# Altium PCB PCB2.PcbDoc (continued)
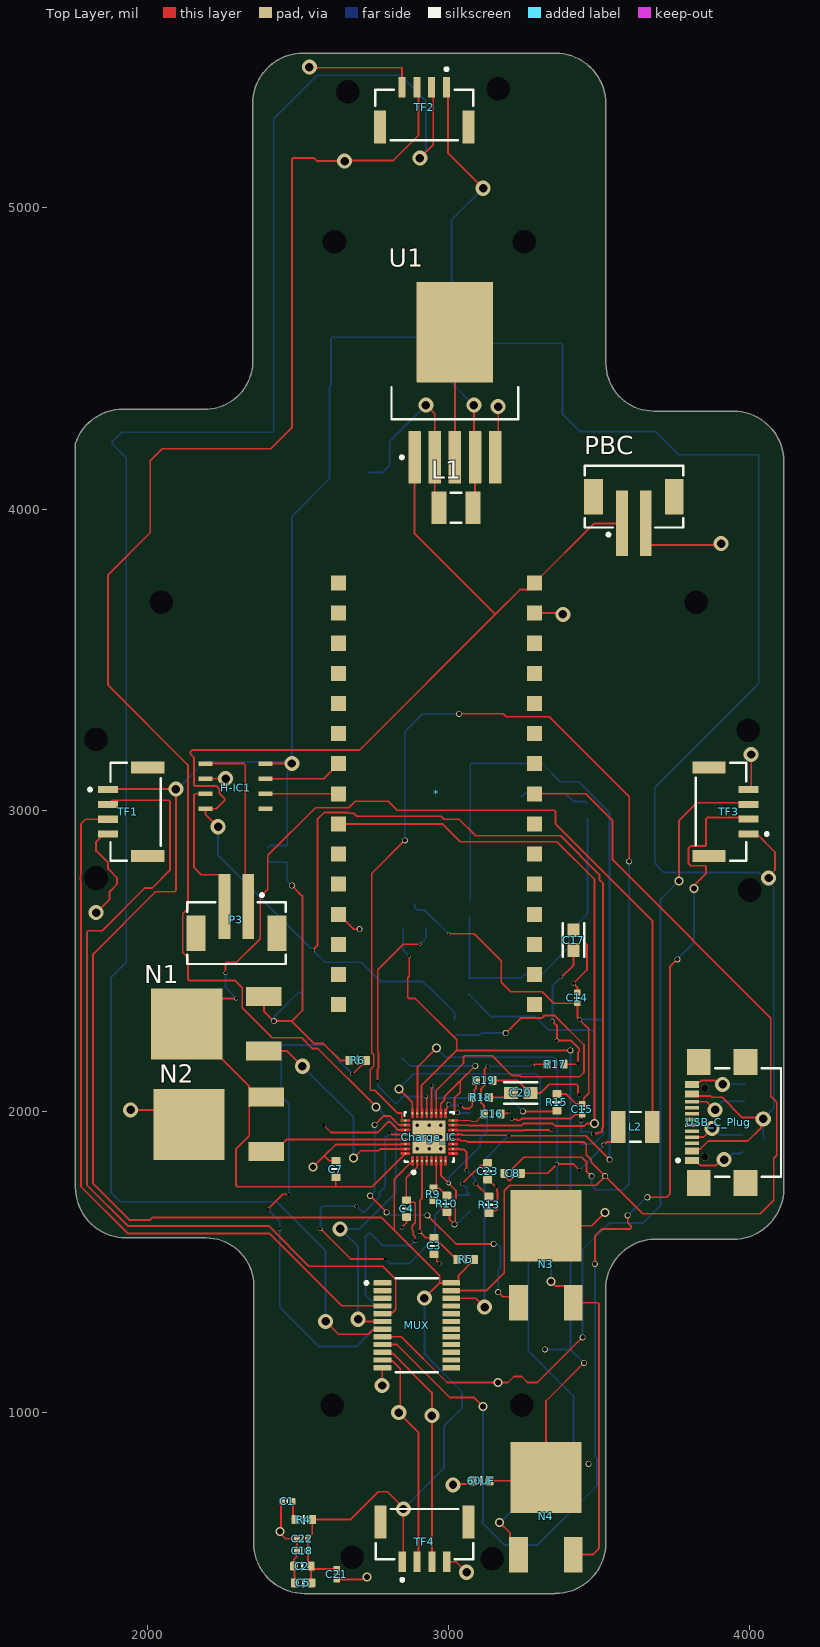
[diagram p0: Top Layer view]
## Part data
5.1kr 5.1KRPD: library part CMP-009-01454-3, "0603 (1608 Metric) 1/10 W 5K1 1 Precision Thick Film Chip Resistor", Case-EIA=0603, Power=100mW, Tolerance=0.1%
60uF C2 CIN COUT: library part CMP-001-00083-4, "Imperial 0603 Capacitor", Case/Package=0603
*: "Arduino Nano IC for I2C Comms/Control"
C1 C14 C15 C18 C21 C22: library part CMP-001-00736-2, "Chip Capacitor, 1u 25V 0402 X7R", Capacitor Type=X7R, Case/Package=0402, Voltage Rating=25V
C3 C4: library part CMP-001-00783-2, "Chip Capacitor, 33n 10V 0603 X7R", Capacitor Type=X7R, Case/Package=0603, Voltage Rating=10V
C5: library part CMP-001-00951-2, "Chip Capacitor, 470n 50V 0603 X7R", Capacitor Type=X7R, Case/Package=0603, Voltage Rating=50V
C6: library part CMP-001-00968-2, "Chip Capacitor, 10u 25V 0805 X7R", Capacitor Type=X7R, Case/Package=0805, Voltage Rating=25V
C7 C8: library part CMP-001-00939-2, "Chip Capacitor, 47n 50V 0603 X7R", Capacitor Type=X7R, Case/Package=0603, Voltage Rating=50V
C16 C19: library part CMP-001-00901-2, "Chip Capacitor, 33p 50V 0603 X7R", Capacitor Type=X7R, Case/Package=0603, Voltage Rating=50V
C17 C20: library part CMP-2006-02619-2, "Chip Multilayer Ceramic Capacitors for General Purpose, 0603, 1800pF, C0G, 30ppm/°C, 5%, 50V", Capacitance=1.8nF, Case Code (Imperial)=0603, Case Code (Metric)=1608, Dielectric=C0G, Max Operating Temperature=125°C, Min Operating Temperature=-55°C, Package Quantity=1, Temperature Coefficient=30ppm/°C, Tolerance=5%, Voltage=50V, Case/Package=0603, Depth=0.8mm, Height=0.8mm, Lead Free="Lead Free", Length=1.6mm, Mount="Surface Mount", Packaging="Tape and Reel", Radiation Hardening=No, REACH SVHC="No SVHC", Termination=SMD/SMT, Thickness=0.035inch, Voltage Rating=50V, Voltage Rating (DC)=50V, Width=0.031inch
C23: library part CMP-001-00961-2, "Chip Capacitor, 3u3 50V 0603 X7R", Capacitor Type=X7R, Case/Package=0603, Voltage Rating=50V
Charge_IC: library part CMP-04911-000011-1, "IC BATT MON MULTI-CHEM 32WQFN", Ambient Temperature Range High=+85°C, Ambient Temperature Range Low=-40°C, Manufacturer="Texas Instruments", Max Junction Temp=+125°C, Max Supply Voltage=24V, Min Supply Voltage=3.5V, Output Current=6.35A, Output Voltage=19.2V, Package=RSN0032B, Temperature="-40°C to +125°C", Automotive=No, Category=IC, ComponentLink2Description=Datasheet, ComponentLink2URL=http://www.ti.com/lit/ds/symlink/bq25703a.pdf, Device Class L1="Integrated Circuits (ICs)", Device Class L2="Power Management ICs", Device Class L3="Battery Management", Digikey Description="IC BATT MON MULTI-CHEM 32WQFN", Height=0.8mm, Lead Free=Yes, Manufacturer Part Number=BQ25703ARSNT, Mouser Description="NVDC I2C Battery Buck-Boost Charge Controller with System Power Monitor & Processor 32-QFN -40 to 85", Number Of Cells=4, Octopart=https://octopart.com/bq25703arsnt-texas+instruments-81848930, RoHS=TRUE, Standoff Height=0mm, Temperature Range High=+125°C, Temperature Range Low=-40°C
CIN2: library part CMP-001-00971-2, "Chip Capacitor, 10u 50V 0805 X7R", Capacitor Type=X7R, Case/Package=0805, Voltage Rating=50V
D1: library part CMP-004-00034-2, "Schottky Diode with SOD-323 Footprint"
H-IC1: "H-Bridge IC"
L1 L2: library part CMP-006-00021-1, "1210 Inductor", Case/Package=1210
MUX: library part CMP-04892-000002-1, "IC I2C SW 8CH W/RESET 24TSSOP", Ambient Temperature Range High=+85°C, Ambient Temperature Range Low=-40°C, Manufacturer="Texas Instruments", Max Supply Voltage=5.5V, Min Supply Voltage=1.65V, Nominal Supply Current=2-50uA, Package=PW0024A, Temperature="-40°C to +85°C", Automotive=No, Category=IC, ComponentLink2Description=Datasheet, ComponentLink2URL=http://www.ti.com/lit/ds/symlink/tca9548a.pdf, Device Class L1="Integrated Circuits (ICs)", Device Class L2="Interface ICs", Device Class L3=Multiplexers, Digikey Description="IC I2C SW 8CH W/RESET 24TSSOP", Height=1.2mm, Interface=I2C,SMBus, Ipc Land Pattern Name=SOP65P640X120-24, Lead Free=Yes, Manufacturer Part Number=TCA9548APWR, Mouser Description="Low-Voltage 8-Channel I2C Switch With Reset 24-TSSOP -40 to 85", Mux Demux Ratio=1:8, Number Of Circuits=1, Octopart=https://octopart.com/tca9548apwr-texas+instruments-22266789, RoHS=TRUE, Standoff Height=0.05mm, Temperature Range High=+85°C, Temperature Range Low=-40°C
N1 N2 N3 N4: library part CMP-013-00035-2, "N Channel MOSFET, DPAK(2-7K1S) Footprint", Transistor Type="N Channel MOSFET"
P3 PBC: library part CMP-1502-00660-2, Color="Beige, White", Contact Resistance=20mΩ, Current Rating=2A, Flammability Rating="UL94 V-0", Insulation Resistance=1GΩ, Max Operating Temperature=85°C, Min Operating Temperature=-40°C, Operating Supply Voltage=100V, Voltage Rating=125V, Connector Type="Male Pin", Contact Gender=Male, Contact Material=Copper, Contact Mating Length=3.5052mm, Contact Plating=Tin, Gender=Male, Height=6.6mm, Housing Material=Nylon, Insulation=Insulated, Lead Pitch=2mm, Length=5mm, Mount="Surface Mount", NexarPartId=18818242, Number of Contacts=2, Number of Pins=2, Number of Positions=2, Number of Rows=1, Orientation=Vertical, Packaging="Tape and Reel", Pitch=2mm, REACH SVHC=Unknown, RoHS=Compliant, Termination=SMD/SMT, Width=7.9mm
Q5: library part CMP-047-000001-2, "P-MOSFET Enhancement Mode", Manufacturer="Diodes Incorporated", Package=SOT-23, ComponentLink1Description=Datasheet, ComponentLink1URL=https://www.mouser.com/datasheet/2/115/DIOD_S_A0012915142_1-2543925.pdf, Design Item ID=DMP3056L-7, DeviceName=SOT-23, DeviceSetName=TRANSISTOR_P_MOS_?_*, DKPN=DMP3056L-7DITR-ND, GateName_1=G$1, LibraryName=HyTechDevices, MOPN=621-DMP3056L-7, MPN=DMP3056L-7, Source=LOGICFETS.SchLib, SymbolName_1=MOSFET_P-CHANNEL
R4 R17 R18: library part CMP-0103-0519-5, "0603 (1608 Metric) 1/10 W 2R2 5 Thick Film Chip Resistor", Case-EIA=0603, Case-Metric=1608, Power=100mW, Temp. Coefficent=±500, Tolerance=5%, Technology=SMT
R5 R6: library part CMP-0103-0528-5, "0603 (1608 Metric) 1/10 W 5R1 5 Thick Film Chip Resistor", Case-EIA=0603, Case-Metric=1608, Power=100mW, Temp. Coefficent=±500, Tolerance=5%, Technology=SMT
R7: library part CMP-009-01111-3, "0603 (1608 Metric) 1/10 W 1K 1 Precision Thick Film Chip Resistor", Case-EIA=0603, Power=100mW, Tolerance=0.1%
R8 R14 R15: library part CMP-009-01062-3, "0603 (1608 Metric) 1/10 W 10R 1 Precision Thick Film Chip Resistor", Case-EIA=0603, Power=100mW, Tolerance=0.1%
R9 RAC RSR: library part CMP-009-00005-5, "Chip Resistor, 0 Ohm, 0.1 W, -55 to 155 degC, 0402 (1005 Metric)", Case/Package=0402, Max Operating Temperature=155°C, Min Operating Temperature=-55°C, Power=100mW, Tolerance=5%, Voltage Rating=50V, Mounting Technology=SM, Pins=2, RoHS Compliant=True
R10: library part CMP-0103-0511-5, "0603 (1608 Metric) 1/10 W 1R 5 Thick Film Chip Resistor", Case-EIA=0603, Case-Metric=1608, Power=100mW, Temp. Coefficent=±500, Tolerance=5%, Technology=SMT
R11: library part CMP-009-01410-5, "0603 (1608 Metric) 1/10 W 300K 1 Precision Thick Film Chip Resistor", Case-EIA=0603, Power=100mW, Tolerance=0.1%
R12: library part CMP-009-01140-3, "0603 (1608 Metric) 1/10 W 200K 1 Precision Thick Film Chip Resistor", Case-EIA=0603, Power=100mW, Tolerance=0.1%
R13: library part CMP-009-01412-5, "0603 (1608 Metric) 1/10 W 30K 1 Precision Thick Film Chip Resistor", Case-EIA=0603, Power=100mW, Tolerance=0.1%
RGPIOPU2 RI2CPU RI2CPU2: library part CMP-009-01057-2, "0603 (1608 Metric) 1/10 W 10K 1 Precision Thick Film Chip Resistor", Case-EIA=0603, Power=100mW, Tolerance=0.1%
TF1 TF2 TF3 TF4: library part CMP-17439-000054-1, "CONN HEADER SMD 4POS 1.25MM", Color=Natural, Connector Type="Outer Shroud Contact", Contact Plating=Tin, Fastening Type=Ramp, Lead Free="Lead Free", Mount="Surface Mount", Number of Pins=4, Number of Positions=4, Number of Rows=1, Packaging="Tape and Reel", Pitch=0.049inch, Termination=Solder
U1: library part CMP-0069-00269-3, "SIMPLE SWITCHER® Power Converter 150 KHz 3A Step-Down Voltage Regulator, 5-pin TO-263, Pb-Free", Manufacturer="Texas Instruments", PackageTopMarking="NSUZXYTTE#*LM2596S*-5.0 P+", PowerWise=N, Code_JEDEC=MO-169-AB, ComponentLink1Description="Datasheet URL", ComponentLink1URL=http://www.ti.com/general/docs/lit/getliterature.tsp?genericPartNumber=LM2596&fileType=pdf, CompType=Switcher, PackageDescription="TO-263, Molded, .400 x .390 x .180in, 5 Lead, .067in Pitch, Surface Mount", PackageReference=KTT0005B, PinCount=5, RoHS=Y
USB_C_Plug: library part CMP-245163-000002-1, "CONN USB 2.0 TYPE-C R/A SMT", Current Rating=3/4.25/1.25/0.25A, Manufacturer=GCT, Package=0, Temperature="-40°C to +85°C", Temperature Range High=+85°C, Temperature Range Low=-40°C, Voltage Rating=20V, Automotive=No, Category=Conn, ComponentLink2Description=Datasheet, ComponentLink2URL=https://gct.co/files/drawings/usb4110.pdf, Conn Orientation="Right Angle", Contact Material=Gold,Nickel, Device Class L1=Connectors, Device Class L2="USB Connectors", Device Class L3=unset, Digikey Description="CONN USB 2.0 TYPE-C R/A SMT", Height=3.46mm, Is Female=yes, Lead Free=Yes, Manufacturer Part Number=USB4110-GF-A, Number of Contacts=16, Octopart=https://octopart.com/usb4110-gf-a-gct-103941985, RoHS=TRUE, Shielding=true, Standoff Height=0.1mm, Usb Standard="USB 2.0"

## Free pads (board coordinates)
  round 0 hole 78.47: 2(1830,2775) 2(1830,3235) 2(2046.89,3690.28) 2(2621.69,4887.13) 2(2665,5385) 2(2680,520) 2(3145,515) 2(3165,5395) 2(3243.74,1024.92) 2(3251.55,4887.13) 2(3822.48,3690.28) 2(3995,3265) 2(4000,2735) 5(2613.82,1024.92)

## Via types
v1: diameter 12.6, hole 11.81, Top Layer to Bottom Layer, 40 vias
v2: diameter 50, hole 28, Top Layer to Bottom Layer, 34 vias
v3: diameter 20, hole 15, Top Layer to Bottom Layer, 26 vias
v4: diameter 30, hole 20, Top Layer to Bottom Layer, 15 vias
v5: diameter 23.62, hole 11.81, Top Layer to Bottom Layer, 9 vias
v6: diameter 10, hole 8, Top Layer to Bottom Layer, 5 vias
v7: diameter 12.2, hole 11.81, Top Layer to Bottom Layer, 1 vias
v8: diameter 19.68, hole 13.78, Top Layer to Bottom Layer, 1 vias
v9: diameter 15, hole 11.81, Top Layer to Bottom Layer, 1 vias
v10: diameter 15, hole 10, Top Layer to Bottom Layer, 1 vias
v11: diameter 20, hole 15.75, Top Layer to Bottom Layer, 1 vias

## Nets (pads, with @x,y where several pads share a name; then routed paths per layer and width w, separated by ;. In a path a pad name is that pad's centre, name@x,y a point inside that pad or via, vN(x,y) a via of type N, cw(c..) or ccw(c..) an arc to the next point about the centre after c; other vN are vias at no path point)
+D_PWM_FWD: *.23@2635.55,3054.41 H-IC1.2 | length 242.6
  Top Layer w6: H-IC1.2 2635.27,3054.69 *.23@2635.55,3054.41
+D_PWM_REV: *.24@2635.55,3154.41 H-IC1.3 | length 263.1
  Top Layer w6: H-IC1.3 2585.83,3104.69 *.24@2635.55,3154.41
ACN: C4.2 Charge_IC.2 R6.1 | length 2478.5
  Top Layer w6: v1(2400,1675) 2450,1725 v1(2470,1725) ; v1(2680,2125) 2680.77,2125.77 2684.39,2125.77 2725.88,2167.25 R6.1 ; v1(2890,1570) 2890,1583 2883,1590 2883,1602.46 2880,1605.46 2880,1620 2890,1630 2890,1694.79 2886.49,1698.3 2867.84,1698.3 C4.2 2860,1706.14 2860,1779.17 2896.37,1815.54 2896.37,1820.51
  Bottom Layer w6: v1(2400,1675) 2440,1635 v1(2440,1610) 2440,1350 2570,1220 2695,1220 2755,1280 2755,1360 2725,1390 2725,1585 2735.01,1595.01 2739.99,1595.01 2780,1555 2875,1555 v1(2890,1570) ; v1(2470,1725) 2470,2025 2445,2050 2445,2216.49 2448.51,2220 2590,2220 2634.62,2175.38 2634.62,2170.38 v1(2680,2125)
ACP: C3.2 Charge_IC.3 R5.1 | length 389.1
  Top Layer w6: 2911.93,1823 2911.93,1710 2905,1703.07 v1(2905,1600) 2924.22,1580.78 C3.2 2954.39,1580.78 3014.78,1520.38 3019.27,1520.38 3029.25,1510.4 R5.1
ARD_V: *.2 RGPIOPU2.1 RI2CPU2.1 RI2CPU.1 | length 1030.8
  Bottom Layer w6: RI2CPU.1 3069.96,2642.7 3069.96,2445.68 RGPIOPU2.1 3240.75,2443.17 3252.59,2455 3260.55,2455 3310.55,2455 3400,2544.45 3400,2594.45 3461.53,2655.98 RI2CPU2.1@3461.53,2971.19
BAT+: *.15@3285.55,3754.41 C15.2 CIN2.2 CIN.2 H-IC1.8 PBC.1 R14.1 RSR.2 U1.1 | length 6615.7
  Top Layer w6: v2(2235,2945) 2193.04,2986.96 H-IC1.8 2229.69,3004.69 2257.51,3032.51 2257.51,3037.49 2240,3055 2240,3070 2230,3080 2158.51,3080 2155,3083.51 2155,3175 2142.49,3187.51 2142.49,3192.49 2150,3200 2705,3200 3155,3650 ; v1(2550,2535) 2565,2550 2565,2970 2587.41,2992.41 2665.94,2992.41 2668.35,2990 2685,2990 2695,2980 2976.11,2980 2986.11,2970 3035,2970 3090,2915 3372.37,2915 3501,2786.37 3501,2769 3513,2757 3513,1948.4 3510,1945.4 3510,1935 3505,1930 3498.3,1930 3494.56,1926.26 3481.26,1926.26 v1(3480,1925) ; U1.1 2887.4,3917.6 3155,3650 ; v1(3210,1975) 3211.26,1973.74 3225.05,1973.74 3228.42,1970.37 3237.21,1970.37 3242.84,1976 3406,1976 3419.15,1989.15 C15.2 3440.77,1986.38 3440.77,1970.77 v1(3440,1970) ; PBC.1 3483.54,3952.4 3285.55,3754.41 3263.55,3732.41 3237.41,3732.41 3155,3650
  Bottom Layer w6: v2(2235,2945) 2235,2850 v1(2550,2535) 2590,2495 2710,2495 2773.45,2431.55 CIN2.2 2912.97,2431.55 2929.26,2415.26 CIN.2 2933.31,2415.26 3020,2328.58 R14.1 ; v1(3440,1970) 3440,1931.76 RSR.2 3440.54,1932.29 3470.92,1932.29 3478.21,1925 v1(3480,1925)
BAT-: 5.1kr.2 5.1KRPD.2 60uF.1 *.14 *.19 C1.1 C2.1 C3.1 C4.1 C5.1 C6.1 C14.1 C16.1 C17.1 C18.1 C19.1 C20.1 C21.1 C22.1 C23.1 Charge_IC.14 Charge_IC.27 CIN2.1 CIN.1 COUT.1 D1.2 H-IC1.6 MUX.12 N2.2 N3.2 pad.2@1830,2775 pad.2@1830,3235 pad.2@2665,5385 pad.2@2680,520 pad.2@3145,515 pad.2@3165,5395 pad.2@3995,3265 pad.2@4000,2735 PBC.2 R12.1 R13.1 TF1.4 TF2.4 TF3.4 TF4.4 U1.5 USB_C_Plug.A1-B12 USB_C_Plug.B1-A12 | length 4490.5
  Top Layer w6: v2(1830,2660) 1875,2705 1875,2730 1900,2755 1900,2775 1870,2805 1870,2825 1830,2865 1830,2895 TF1.4@1850,2915 ; v2(1945,2005) 2090.28,2005 N2.2 ; H-IC1.6 2259.69,3104.69 v2(2260,3105) ; C1.1 2443.64,701.36 2443.64,608.64 v4(2440,605) 2440,600.24 2458.99,581.25 C22.1 2497.29,581.08 2497.29,540.92 C18.1 2495.34,538.98 2495.34,520.93 2486.18,511.77 C2.1@2486.18,490 ; C2.1 2488.72,488.72 2488.72,438.24 2490,436.96 C5.1 C5.1@2490,433.66 ; v2(2538.13,5466.87) 2540,5465 2844.65,5465 2845.79,5463.86 TF2.4 ; v1(2585,1955) 2610,1930 2765,1930 2800,1965 2805,1965 2831.38,1938.62 2841.06,1938.62 ; C21.1@2627.95,445.75 C21.1 2714.25,445.75 2723.51,455 v4(2730,455) ; *.19@2635.55,2654.41 2684.96,2605 v8(2705,2605) ; v2(2780,1090) 2780,1148.43 MUX.12 ; v1(2845,1615) 2861.09,1631.09 C4.1 ; C3.1 2961.34,1516.75 2961.34,1503.66 v1(2970,1495) ; TF4.4 3025,505 v2(3060,470) ; 3010.04,1937.13 3249.22,1937.13 3250.52,1938.43 v1(3341.16,1938.43) ; v2(3015,760) 3017.56,762.56 3071.72,762.56 3081.7,772.54 60uF.1 ; C23.1 3132.32,1773.7 3156.03,1750 v1(3160,1750) 3160.77,1749.23 3160.77,1736.24 3162.96,1734.04 3162.96,1676.48 3156.49,1670 3142.56,1670 R13.1 ; C19.1 3228.03,2103.1 3269.72,2061.42 C20.1 3306.42,2061.42 3335,2090 3425,2090 3430,2085 3430,2060 v1(3435,2055) ; U1.5 3165,4181.57 v2(3165,4340) ; C16.1 3192.05,1992.05 v1(3200,2000) ; *.14@3285.55,3654.41 3375.59,3654.41 v2(3380,3650) ; N3.2 3475.32,1620.32 v4(3520,1665) ; C17.1 3415.49,2598.51 3460,2554 3460,2470 v1(3415,2425) 3428.01,2411.99 C14.1 ; PBC.2 3655.08,3896.69 3671.76,3880 v2@3905,3880 ; USB_C_Plug.A1-B12 3819.51,1837.37 3836.89,1820 3886.92,1820 3906.92,1840 v2(3915,1840) ; USB_C_Plug.B1-A12 3817.5,2098.15 3835.54,2098.15 3840.32,2102.93 3885.16,2102.93 3898.09,2090 v2(3910,2090) ; v2(4005,3185) 4005,3077.63 4017.63,3065 TF3.4@4020,3065
  Bottom Layer w6: v2(3910,2090) 3982.07,2090 5.1kr.2 ; v2(3915,1840) 3923.16,1840 3943.12,1859.96 3970.44,1859.96 5.1KRPD.2
  other v2: 3905,3885
  other v3: 3465,830
BATDRV: Charge_IC.21 Q5.1 | length 859.2
  Top Layer w6: v1(2765,2100) 2764.12,2100.88 2764.12,2140.39 2767.88,2144.14 2767.88,2194.28 2765,2197.16 2765,2470 2850,2555 v6(2905,2555) ; 2927.68,2005.28 v1@2927.68,2050
  Bottom Layer w6: v1(2765,2100) 2765,2085 2822.51,2027.49 2827.49,2027.49 2850,2050 v1(2925,2050) ; v6(2905,2555) 2925.43,2575.43 Q5.1
BTST1: C7.1 Charge_IC.30 | length 376.7
  Top Layer w6: v4(2550,1815) 2587.5,1852.5 ; C7.1 2603.69,1836.31 2587.5,1852.5 ; 2850.48,1890 2625,1890 2587.5,1852.5
BTST2: C8.1 Charge_IC.25 | length 4136.3
  Top Layer w6: 2845,1974.76 2845,1995.24 2829.88,1995.24 2755.12,2070 2742.34,2070 2740,2072.34 2740,2138.89 2751.88,2150.77 2751.88,2187.65 2745,2194.53 2745,2790 v3(2855,2900) ; v3(3035,3320) 3181.89,3320 3191.89,3310 3335,3310 3600,3045 v3(3600,2830) ; C8.1 3195.27,1784.85 3195.27,1775.73 3200,1771 3204.97,1771 3214.52,1780.54 3214.52,1813.11 3249.41,1848 3442.46,1848 3458,1832.46 3458,1802 v3(3475,1785)
  Bottom Layer w6: v3(2855,2900) 2855,3260 2915,3320 v3(3035,3320) ; v3(3475,1785) 3475,1755 3490,1740 3580,1740 3600,1760 v3(3600,2830)
CBATR: Charge_IC.18 R11.1 R12.2 | length 606.9
  Top Layer w4: 2986.13,2037 2986.93,2038.17
  Top Layer w6: 2974.6,2009.49 2974.6,2025.48 2986.13,2037 ; 2986.93,2038.17 2987.12,2039.61 2987.15,2047.39 2987.15,2049.86 2988.92,2051.62 3038.93,2101.26 ; v9(3030,1995) 3019.65,2005.35 3019.65,2044.65 3038.93,2063.93 3038.93,2101.26 ; v3(3088.95,2150.9) 3038.93,2101.26
  Bottom Layer w6: R12.2 2845.22,2178.49 2872.81,2150.9 v3(3088.95,2150.9) ; v9(3030,1995) R11.1
CC1: 5.1KRPD.1 USB_C_Plug.A5 | length 189.6
  Top Layer w6: USB_C_Plug.A5 3809.47,1914.92 3846.74,1914.92 v2(3875.24,1943.43)
  Bottom Layer w6: v2(3875.24,1943.43) 3878.32,1943.43 3899.91,1921.83 5.1KRPD.1
CC2: 5.1kr.1 USB_C_Plug.B5 | length 200.8
  Top Layer w6: USB_C_Plug.B5 3857.75,2032.25 v2(3885,2005)
  Bottom Layer w6: v2(3885,2005) 3885,2010.39 3908.47,2033.86 5.1kr.1
CMPOUT: *.22@2635.55,2954.41 Charge_IC.15 RGPIOPU2.2 | length 2987.1
  Top Layer w6: *.22@2635.55,2954.41 2979.07,2954.41 3038.48,2895 3360,2895 3485,2770 v4(3485,1960) 3459.52,1960 3451.52,1952 3354.88,1952 3346.88,1960 3249.46,1960 3242.59,1953.13 3066.97,1953.13 3065.73,1954.37 Charge_IC.15
  Bottom Layer w6: RGPIOPU2.2 3069.41,2388.05 3142.46,2315 3287.5,2315 3332.5,2270 3475,2270 3485,2260 v4(3485,1960)
COMP1: C16.2 Charge_IC.16 R17.1 | length 475.7
  Top Layer w4: 3025.83,1970.12 3071.2,1970.12 3073.19,1968.13 3094.5,1968.13 3106.24,1979.86 3107.52,1979.86 3118.42,1990.76 C16.2
  Top Layer w6: C16.2 3118.42,2018.24 3108.3,2028.37 3108.3,2075.08 3119.15,2085.93 3119.15,2139.15 v1(3130,2150) ; v6(3280,2150) 3281.08,2150 3287.86,2156.78 R17.1
  Bottom Layer w6: v1(3130,2150) v6(3280,2150)
COMP2: C19.2 Charge_IC.17 R18.1 | length 204.5
  Top Layer w6: 2990.86,1999.25 v1(3000.35,2024.29) ; v7(3040,2020) 3041.36,2020 3051.36,2010 3070,2010 3079.18,2019.18 R18.1 3086.27,2053.89 3086.27,2070.77 3091.88,2076.38 C19.2
  Bottom Layer w6: v1(3000.35,2024.29) 3002.14,2024.29 3006.43,2020 v7(3040,2020)
DRIVE+: H-IC1.5 P3.1 | length 607.7
  Top Layer w6: H-IC1.5 2320.31,3154.69 2325,3150 2325,2690.97 P3.1
DRIVE-: H-IC1.7 P3.2 | length 487.9
  Top Layer w6: H-IC1.7 2158.51,3054.69 2155,3051.17 2155,2810 2179.22,2785.78 2240.03,2785.78 2256.72,2769.09 P3.2
HIDRV1: Charge_IC.31 N1.1 | length 695.6
  Top Layer w6: N1.1 2464.86,2200.14 v2(2515,2150) ; v4(2685,1845) 2709.6,1869.6 2767.68,1869.6 2773.08,1875 2844.04,1875
  Bottom Layer w6: v2(2515,2150) 2685,1980 v4(2685,1845)
HIDRV2: Charge_IC.24 N4.1 | length 2368.6
  Top Layer w6: v4(2835,2075) 2880,2030 2880,2009.52 ; v4(3170,635) 3204.62,600.38 3204.62,557.3 N4.1
  Bottom Layer w6: v4(2835,2075) 2885,2125 3290,2125 3305,2110 3305,1705 3265,1665 3265,1205 3415,1055 3415,880 v4(3170,635)
LODRV1: Charge_IC.29 N2.1 | length 479.4
  Top Layer w6: N2.1 2421.89,1866.31 2462.71,1907.13 Charge_IC.29
LODRV2: Charge_IC.26 N3.1 | length 1098.1
  Top Layer w6: v3(2740,1720) v3(2795,1665) ; v3(2755,1955) 2785,1985 2805.27,1985 2835.27,1955 2847.74,1955 ; v3(2930,1655) 3025,1560 v3(3150,1560) ; v3(3165,1400) 3180,1385 3212.53,1385 N3.1
  Bottom Layer w6: v3(2740,1720) 2755,1735 v3(2755,1955) ; v3(2795,1665) 2798.79,1665 2808.79,1655 v3(2930,1655) ; v3(3150,1560) 3152.68,1557.32 3165.21,1557.32 3173,1549.53 3173,1480.66 3165,1472.66 v3(3165,1400)
NetC1_2: C1.2 R4.1 | length 64
  Top Layer w6: C1.2 2484.2,703.51 2484.2,653.24 R4.1
NetC6_2: C6.2 N1.3 R6.2 R7.1 RAC.2 | length 1170.5
  Top Layer w6: N1.3 2387.1,2332.9 v3(2420,2300) 2480,2300 ; v11(2480,2750) 2515,2715 2515,2335 2480,2300 ; R6.2 2640.79,2169.21 2585,2225 2555,2225 2480,2300
  Bottom Layer w6: RAC.2 2407.87,2827.44 R7.1 2465,2765 v11(2480,2750) ; v3(2420,2300) 2422.68,2302.68 2422.68,2315.66 2502.13,2395.12 C6.2
NetC14_2: C14.2 C15.1 Q5.3 R15.1 RSR.1 | length 1721.7
  Top Layer w6: v6(3000,2590) 3085,2590 3175,2500 3175,2428.51 3206.23,2397.29 3311.06,2397.29 3349.13,2359.22 C14.2 3428.01,2313.07 3435,2306.08 v1(3435,2305) 3466,2274 3466,2060.54 3448.88,2043.43 3448.88,2029.92 C15.1 ; R15.1 3390.76,2057.56 3423.71,2024.61 C15.1
  Bottom Layer w6: Q5.3 2887.64,2678.34 2897.43,2668.54 2921.46,2668.54 v6(3000,2590) ; v1(3435,2305) 3505,2305 3513,2297 3513,1923 3481.99,1891.99 RSR.1
NetC17_2: C17.2 R17.2 | length 523.9
  Top Layer w6: v1(3345,2300) 3360,2285 v1(3360,2235) 3407.37,2235 3434,2208.37 3434,2200 3430,2196 v1(3430,2160) 3426.78,2156.78 R17.2 ; v6(3375,2445) 3415.49,2485.49 C17.2 C17.2@3418.03,2538.84
  Bottom Layer w6: v1(3345,2300) 3345,2415 v6(3375,2445)
NetC20_2: C20.2 R18.2 | length 79.3
  Top Layer w6: R18.2 3192.9,2046.81 C20.2
NetCharge_IC_6: Charge_IC.6 R9.1 R10.2 | length 137.7
  Top Layer w6: 2959.17,1823 2959.17,1753.86 R9.1 2970.06,1744.68 2982.61,1732.14 2982.61,1730.31 2992.59,1720.33 R10.2
NetCharge_IC_19: Charge_IC.19 R14.2 | length 1236.3
  Top Layer w6: 2959.36,2009.49 2959.36,2069.36 3050,2160 3050,2181.49 3051.76,2183.24 3053.51,2185 3145,2185 3210.9,2119.1 3237.54,2119.1 3241.65,2115 3435,2115 3450,2130 3450,2220.46 3352.46,2318 3317.53,2318 3309.53,2310 3240,2310 v3(3190,2260)
  Bottom Layer w6: R14.2 3026.75,2254.19 3103.28,2254.19 3109.09,2260 v3(3190,2260)
NetCharge_IC_20: Charge_IC.20 R15.2 | length 558.6
  Top Layer w6: Charge_IC.20 v1(2943.43,2085) ; v3(3247,2000) 3357.56,2000 R15.2
  Bottom Layer w6: v1(2943.43,2085) 2943.43,2081.28 2955,2069.7 2955,2047.81 2958.51,2044.3 3202.7,2044.3 v3(3247,2000)
NetD1_1: D1.1 L1.1 U1.2 | length 687
  Top Layer w6: v2(2925,4345) 2954.32,4315.68 U1.2 2954.32,4018.34 L1.1
  Bottom Layer w6: D1.1 2781.44,4121.44 2805,4145 2805,4225 v2(2925,4345)
NetU1_3: U1.3 U1.6 | length 415.4
  Top Layer w6: U1.3 U1.6
PSYS: Charge_IC.10 R13.2 | length 221.4
  Top Layer w6: 3023,1875.63 3038.3,1875.63 3039.93,1874 3051,1874 3060,1865 v1(3060,1805) ; v1(3090,1760) 3090.6,1760 3133.04,1717.56 R13.2
  Bottom Layer w6: v1(3060,1805) 3090,1775 v1(3090,1760)
REGN: C23.2 Charge_IC.28 R8.1 | length 1408.1
  Top Layer w6: v1(2575,1610) 2675,1510 v1(2790,1510) ; v1(2805,1930) 2812.13,1922.87 2851.3,1922.87 ; v1(3045,1760) 3105.32,1820.32 3121.86,1820.32 C23.2
  Bottom Layer w6: v1(2575,1610) 2575,1680 2580,1685 v1(2695,1685) 2715,1665 2720,1665 2771,1716 2771,1731 2790,1750 2790,1912.87 2800,1922.87 ; v1(2790,1510) 2805,1495 2870,1495 2955,1580 2955,1655 3022.56,1722.56 R8.1 3060.44,1732.12 3060.44,1744.56 v1(3045,1760)
SC0: MUX.5 TF1.2 | length 2946.6
  Top Layer w6: TF1.2 1883.71,3032.92 2071.49,3032.92 2075,3029.41 2075,2800 2016.63,2741.63 1991.63,2741.63 1850,2600 1803.51,2600 1800,2596.49 1800,1755 1935,1620 2402.63,1620 2536.63,1486 2781.2,1486 2825,1442.2 2825,1342.52 2814.6,1332.12 2784.56,1332.12 MUX.5
SC1: MUX.7 TF2.2 | length 6429.1
  Top Layer w6: v2(2592.05,1302.95) 2635,1260 2733.58,1260 2747.06,1273.47 2777.09,1273.47 MUX.7 ; v2(2905,5165) 2949.61,5209.61 TF2.2@2949.61,5415
  Bottom Layer w6: v2(2592.05,1302.95) 2592.05,1537.95 2430,1700 1910,1700 1880,1730 1880,2445 1930,2495 1930,4170 1882.49,4217.51 1882.49,4222.49 1915,4255 2416.49,4255 2420,4258.51 2420,5295 2565,5440 2840,5440 2925,5355 2925,5193.08 2905,5173.08 v2(2905,5165)
SC2: MUX.9 TF3.2 | length 4023.4
  Top Layer w6: MUX.9 2828.98,1226.02 3005,1050 3085,1050 v4(3115,1020) ; v3(3486.26,1493.74) 3486.26,1586.26 3510,1610 3603,1610 3606.51,1613.51 3606.51,1618.49 3595,1630 v3(3595,1655) ; v3(3660,1715) 3725,1715 3735,1725 3735,2480 v3(3760,2505) ; v4(3815,2740) 3819.59,2744.59 3819.59,2754.59 3855.39,2790.39 3855.39,2812.15 3851.88,2815.66 3804.14,2815.66 3796.53,2823.28 3796.53,2873.42 3804.14,2881.03 3851.88,2881.03 3855.39,2884.55 3855.39,2971.88 3858.91,2975.39 TF3.2@3996.54,2975.39
  Bottom Layer w6: v4(3115,1020) 3115,640 3112.49,637.49 3112.49,633.93 3186.41,560 3295,560 3493,758 3493,849.53 3486.26,856.26 v3(3486.26,1493.74) v3@3485,1495 ; v3(3595,1655) 3597.5,1655 3657.5,1715 v3(3660,1715) ; v3(3760,2505) 3815,2560 v4(3815,2740)
SC3: MUX.11 TF4.2 | length 756.1
  Top Layer w6: MUX.11 2784.56,1171.11 2814.6,1171.11 2840,1145.71 2840,1005 v2(2835,1000) 2900,935 2900,555 2900.39,554.61 TF4.2@2900.39,490
SCL: *.9 Charge_IC.13 MUX.22 RI2CPU.2 | length 3405
  Top Layer w6: MUX.22 3090.43,1379.57 v2(3120,1350) ; 3023,1922.87 3044.81,1922.87 3046.55,1921.13 3196.92,1921.13 3198.92,1919.13 v1(3200,1919.13) ; v1@3201.85,1919.13 3455.87,1919.13 v3(3535,1840)
  Bottom Layer w6: RI2CPU.2 3072.47,3151.49 3075.98,3155 3260.55,3155 3310.55,3155 3371.35,3094.2 3432.8,3094.2 3535,2992 v3(3535,1840) ; v2(3120,1350) 3120,1840 3199.13,1919.13 v1(3200,1919.13)
SD0: MUX.4 TF1.3 | length 2440.2
  Top Layer w6: TF1.3 1795,2970 1780,2955 1780,2790.99 1778.92,2785.92 ccw(c1830,2775) 1778.92,2764.08 1780,2759.01 1780,1750 1935,1595 2405,1595 2645,1355 MUX.4@2755,1355
SD1: MUX.6 TF2.3 | length 5735.7
  Top Layer w6: v2(2700,1310) 2707.2,1302.8 MUX.6 ; v4(2760,2015) 2566,2209 2548.37,2209 2512.73,2244.64 2414.77,2244.64 2315.04,2344.36 2315.04,2409.96 2290,2435 2138.51,2435 2135,2438.51 2135,2510.22 2117.73,2527.49 2117.73,2656.37 2135,2673.64 2135,3150 1870,3415 1870,3781.99 2010,3921.99 2010,4160 2050,4200 2410,4200 2480,4270 2480,5161.49 2483.51,5165 2554.09,5165 2564.09,5155 v2(2655,5155) 2657.11,5157.11 2817.11,5157.11 2900.39,5240.39 TF2.3@2900.39,5410
  Bottom Layer w6: v2(2700,1310) 2700,1550 v2(2640,1610) 2705,1610 2825,1730 2825,1950 v4(2760,2015)
SD2: MUX.8 TF3.3 | length 2974.8
  Top Layer w6: MUX.8 2843.39,1251.61 2995,1100 v4(3165,1100) 3197.5,1100 3217.5,1120 3242.5,1120 3262.5,1100 3295,1100 v3(3445,1250) ; v4(3765,2765) 3765,2965 3824.61,3024.61 TF3.3@3996.54,3024.61
  Bottom Layer w6: v3(3445,1250) 3445,1540 3535,1630 3646.49,1630 3703.45,1686.96 3703.45,2703.45 v4(3765,2765)
SD3: MUX.10 TF4.3 | length 796
  Top Layer w6: MUX.10 2784.56,1196.7 2814.6,1196.7 2945,1066.3 v2(2945,990) TF4.3 TF4.3@2945,490
SDA: *.8 Charge_IC.12 MUX.23 RI2CPU2.2 | length 4051.8
  Top Layer w6: MUX.23 3125.16,1405.16 3185,1465 3185,1736.26 3203.74,1755 3490,1755 v3(3520,1785) ; 3023,1907.13 3037.08,1907.13 ; 3037.08,1906.87 3041.37,1902.58 3059,1902.58 3063.29,1898.29 3450.57,1898.29 3457.41,1891.45 3457.41,1855.68 3474,1839.08 3474,1831 v3(3520,1785) ; *.8@3285.55,3054.41 3455.59,3054.41 3545,2965 3545,2835 4070,2310 4070,2050 4090,2030 4090,1855 4080,1845 4080,1705 4035,1660 3645,1660 v3(3520,1785)
  Bottom Layer w6: 3242.73,3045.14 3252.59,3055 3260.55,3055 3310.55,3055 3387.92,3055 3413.61,3029.31 3453.25,3029.31 RI2CPU2.2
SW1: C7.2 Charge_IC.32 L2.1 N1.2 N2.3 | length 4323.8
  Top Layer w6: v1(2260,2460) 2260,2491.49 2263.51,2495 2296.28,2495 2375,2573.72 2375,2712.5 2400,2737.5 2400,2850 2558.41,3008.41 2668.41,3008.41 2690,3030 2800,3030 2830,3000 3351.49,3000 3355,2996.49 3355,2955 3677.03,2632.97 L2.1 ; v1(2295,2375) 2215.5,2375 N1.2 2338.27,2083.61 2338.27,2075.9 N2.3@2366.77,2047.41 ; N2.3 N2.3@2366.77,2047.41 ; C7.2 2625.95,1754.05 2630,1750 ; Charge_IC.32 2746.93,1750 2630,1750 ; N2.3@2366.77,2047.41 2338.27,2018.91 2338.27,1919.19 2295,1875.91 2295,1753.51 2298.51,1750 2630,1750
  Bottom Layer w6: v1(2260,2460) 2260,2410 v1(2295,2375)
SW2: C8.2 Charge_IC.23 L2.2 N3.3 N4.3 | length 2941
  Top Layer w6: Charge_IC.23 2897.37,1994.93 2897.37,2147.37 v4(2960,2210) ; C8.2 3329.69,1794.69 v1(3360,1825) 3415,1825 v1(3435,1805) ; v4(3340,1435) 3354.53,1420.47 3385.72,1420.47 3414.22,1391.97 N3.3 3414.81,1365 3496.49,1365 3500,1361.49 3500,550 3478.8,528.8 N4.3 ; v1(3515,1890) 3516.79,1890 3524.83,1898.05 3542.83,1898.05 3564.04,1919.26 L2.2
  Bottom Layer w6: v4(2960,2210) 2990,2180 3350,2180 3360.87,2169.13 3360.87,1825.87 v1(3360,1825) 3360.87,1824.13 3360.87,1703.48 3340,1682.6 v4(3340,1435) ; v1(3435,1805) 3513.74,1883.74 3513.74,1888.74 v1(3515,1890)
VBUS: C2.2 C5.2 C18.2 C21.2 C22.2 Charge_IC.1 COUT.2 H-IC1.4 L1.2 MUX.24 R4.2 R5.2 R7.2 RAC.1 TF1.1 TF2.1 TF3.1 TF4.1 U1.4 USB_C_Plug.A4-B9 USB_C_Plug.B4-A9 | length 14276.4
  Top Layer w6: TF1.1@1885,3070 v2(2095,3070) 2095,2733.1 2091.49,2729.58 2027.21,2729.58 1820,2522.37 1820,1760 1940,1640 2010,1640 2018,1648 2777,1648 2820,1605 ; H-IC1.4 2479.69,3154.69 v2(2480,3155) ; C2.2@2541.3,482.76 2533.55,490.51 2533.55,539.75 C18.2 2532.72,540.92 2532.72,581.08 C22.2 2532.89,582.23 2547.56,596.9 R4.2 2673.76,645 2766.27,737.51 2797.49,737.51 2850,685 v2(2850,680) TF4.1@2850,495 ; C2.2 C2.2@2543.84,488.72 ; C5.2 2543.84,436.28 C2.2@2543.84,488.72 ; C21.2 C21.2 2551.32,481.24 C2.2@2543.84,488.72 ; Charge_IC.1 2820,1775.42 2820,1605 ; v2(2920,1380) 2970.75,1430.75 ; TF2.1@2998.82,5410 2998.82,5181.18 v2(3115,5065) ; L1.2 3088.18,4010.98 U1.4 3084.36,4175.5 v2(3084.36,4344.62) ; R5.2 3084.37,1506.61 3033.75,1456 3033.75,1436.61 3027.89,1430.75 MUX.24 2970.75,1430.75 ; USB_C_Plug.A4-B9 3815.37,1875.55 3836.71,1875.55 3862.82,1901.67 3993.45,1901.67 4037.85,1946.07 4037.85,1967.85 v2(4045,1975) 4040,1980 3973.51,1980 3971.76,1981.76 ; USB_C_Plug.B4-A9 3815.37,2051.16 3869.99,2051.16 3875.52,2045.98 3905.82,2046.96 3905.92,2046.97 3908.5,2046.97 3910.3,2045.17 3971.73,1981.79 ; TF3.1@4020,2925 4084.14,2860.86 4084.14,2801.43 4062.63,2779.92 v2(4062.63,2774.86) ; 2820,1605 2970.75,1454.25 2970.75,1430.75
  Bottom Layer w6: v2(2095,3070) 2100,3070 2190,3160 2475,3160 v2(2480,3155) ; RAC.1 2407.87,2882.56 R7.2 2465,3128.09 2480,3143.09 v2(2480,3155) ; v2(2850,680) 2985,815 2985,955 3045,1015 3045,1070 2920,1195 v2(2920,1380) ; v2(3084.36,4344.62) 3010,4418.98 3010,4570 ; v2(3115,5065) 3010,4960 3010,4570 ; COUT.2 4045,1913.32 v2(4045,1975) 4080,2010 4080,2745 4071.05,2753.95 4071.05,2754.53 4055.58,2770 4055,2770 4055,2770.58 4042.31,2783.28 4041.72,2783.28 4032,2793 3715.51,2793 3685,2823.51 3685,3075 4030,3420 4030,4176.49 4026.49,4180 3765,4180 3688.1,4256.9 3438.1,4256.9 3378.1,4316.9 3378.1,4546.49 3374.58,4550 3030,4550 3010,4570 ; v2@4056.39,2768.61 v2(4062.63,2774.86) ; v2(2480,3155) 2480,3975 2605,4100 2605,4405 2610,4410 2610,4566.49 2613.51,4570 3010,4570
VDDA: Charge_IC.7 R8.2 R9.2 R10.1 R11.2 | length 702.1
  Top Layer w6: R9.2 2980.26,1675.06 2984.57,1675.06 R10.1 3003.13,1656.5 3003.13,1641.87 v3(3020,1625) 3022.38,1627.38 3022.38,1707.38 3025,1710 3025,1737.31 2975.3,1787.01 ; 2975,1787.01 Charge_IC.7@2975,1839.41
  Bottom Layer w6: v10(3000.15,1762.16) 3000.15,1780.15 3105,1885 3105,1910 3127.56,1932.56 R11.2 ; v3(3020,1625) 3022.68,1627.68 3028.28,1627.68 3068.04,1667.44 R8.2
VSYS: 60uF.2 Charge_IC.22 N4.2 Q5.2 | length 2902.2
  Top Layer w6: v6(2870,2515) 2870,2448.72 2865,2443.72 2865,2378.51 2868.51,2375 2890,2375 3027.72,2237.28 3027.72,2202.72 ; 2910,1983.78 2910,2085 3027.72,2202.72 ; 60uF.2 3312.79,773.83 N4.2 3323.67,1038.67 v3(3450,1165) ; v3(3404.75,2202.72) 3027.72,2202.72
  Bottom Layer w6: Q5.2 2849.84,2535.16 v6(2870,2515) ; v3(3320,1210) 3404.49,1210 3404.75,1210.25 ; v3(3404.75,2202.72) 3404.75,1210.25 ; v3(3450,1165) 3404.75,1210.25
pads on no net: *.1 *.3 *.4 *.5 *.6 *.7 *.10 *.11 *.12 *.13 *.15@3260.55,3755 *.15@3310.55,3755 *.16 *.17 *.18 *.20 *.21 *.22@2611.48,2954.99 *.22@2661.48,2954.99 *.23@2611.48,3054.99 *.23@2661.48,3054.99 *.24@2611.48,3154.99 *.24@2661.48,3154.99 *.25 *.26 *.27 *.28 *.29 *.30 Charge_IC.4 Charge_IC.5 Charge_IC.8 Charge_IC.9 Charge_IC.11 Charge_IC.33 H-IC1. H-IC1.1 MUX.1 MUX.2 MUX.3 MUX.13 MUX.14 MUX.15 MUX.16 MUX.17 MUX.18 MUX.19 MUX.20 MUX.21 P3.MP1 P3.MP2 PBC.MP1 PBC.MP2 TF1.5 TF1.6 TF2.5 TF2.6 TF3.5 TF3.6 TF4.5 TF4.6 USB_C_Plug. USB_C_Plug.1 USB_C_Plug.2 USB_C_Plug.3 USB_C_Plug.4 USB_C_Plug.A6 USB_C_Plug.A7 USB_C_Plug.A8 USB_C_Plug.B6 USB_C_Plug.B7 USB_C_Plug.B8
copper on no net:
  other v5: 2896.18,1875.63 2935.55,1875.63 2974.92,1875.63 2896.18,1915 2935.55,1915 2974.92,1915 2896.18,1954.37 2935.55,1954.37 2974.92,1954.37

## Polygon pours and split planes (outlines as drawn)
BAT- on Bottom Layer "BAT-_L02_P001" (solid, pour order 1): 3900,4325 4110.55,4110 4110.55,1770 4110,1770 3915,1575 3520.55,1575 3520.55,650 3265.55,395 2550,395 2550,395.55 2350.55,595 2350.55,1580 1970.55,1580 1760.55,1790 1760.55,4150 1940,4330 2350.55,4330 2350.55,5350 2495,5495 2495,5510 3385,5510 3520,5375 3520.55,5365 3520.55,4325

## Silkscreen, mask and mechanical layers (free items; w line width, h text height)
Mechanical 1:
  lines w10: 2191.56,4326.56 ccw(c2191.56,4490) 2355,4490 2355,5345 cw(c2518.44,5345) 2518.44,5508.44 3354.44,5508.44 ; 2201.73,4326.73 1920.41,4326.73 ccw(c1920.41,4163.29) 1766.56,4218.44 1766.56,1748.44 ccw(c1930,1748.44) 1930,1585 2195,1585 cw(c2195,1421.56) 2358.44,1421.56 2358.44,568.44 ; 2358.39,567.75 ccw(c2521.83,567.75) 2521.83,404.31 3353.7,404.31 ; 3353.7,404.55 ccw(c3353.7,567.99) 3517.14,567.99 3517.14,1410 cw(c3687.84,1409.91) 3687.92,1580.61 3944.84,1580.61 ccw(c3944.84,1744.05) 4108.28,1744.05 ; 3354.44,5508.38 cw(c3354.44,5344.94) 3517.88,5344.94 3517.88,4483.53 ccw(c3681.34,4483.53) 3681.34,4320.09 3945,4320.09 ; 3945,4320 cw(c3945,4156.56) 4108.44,4156.56 4108.44,1743.44